# Altium PCB EBAZ4205.PcbDoc (part 3 of 6)
Units mil, origin at the board's own origin, x right, y up, seen from the top; angles counter-clockwise.
Board outline 3958.82 x 3829.88 mil, 4 copper layers (Top Layer, MidLayer1, MidLayer2, Bottom Layer); 565 components, 392 nets, 1912 pads, 1242 vias.
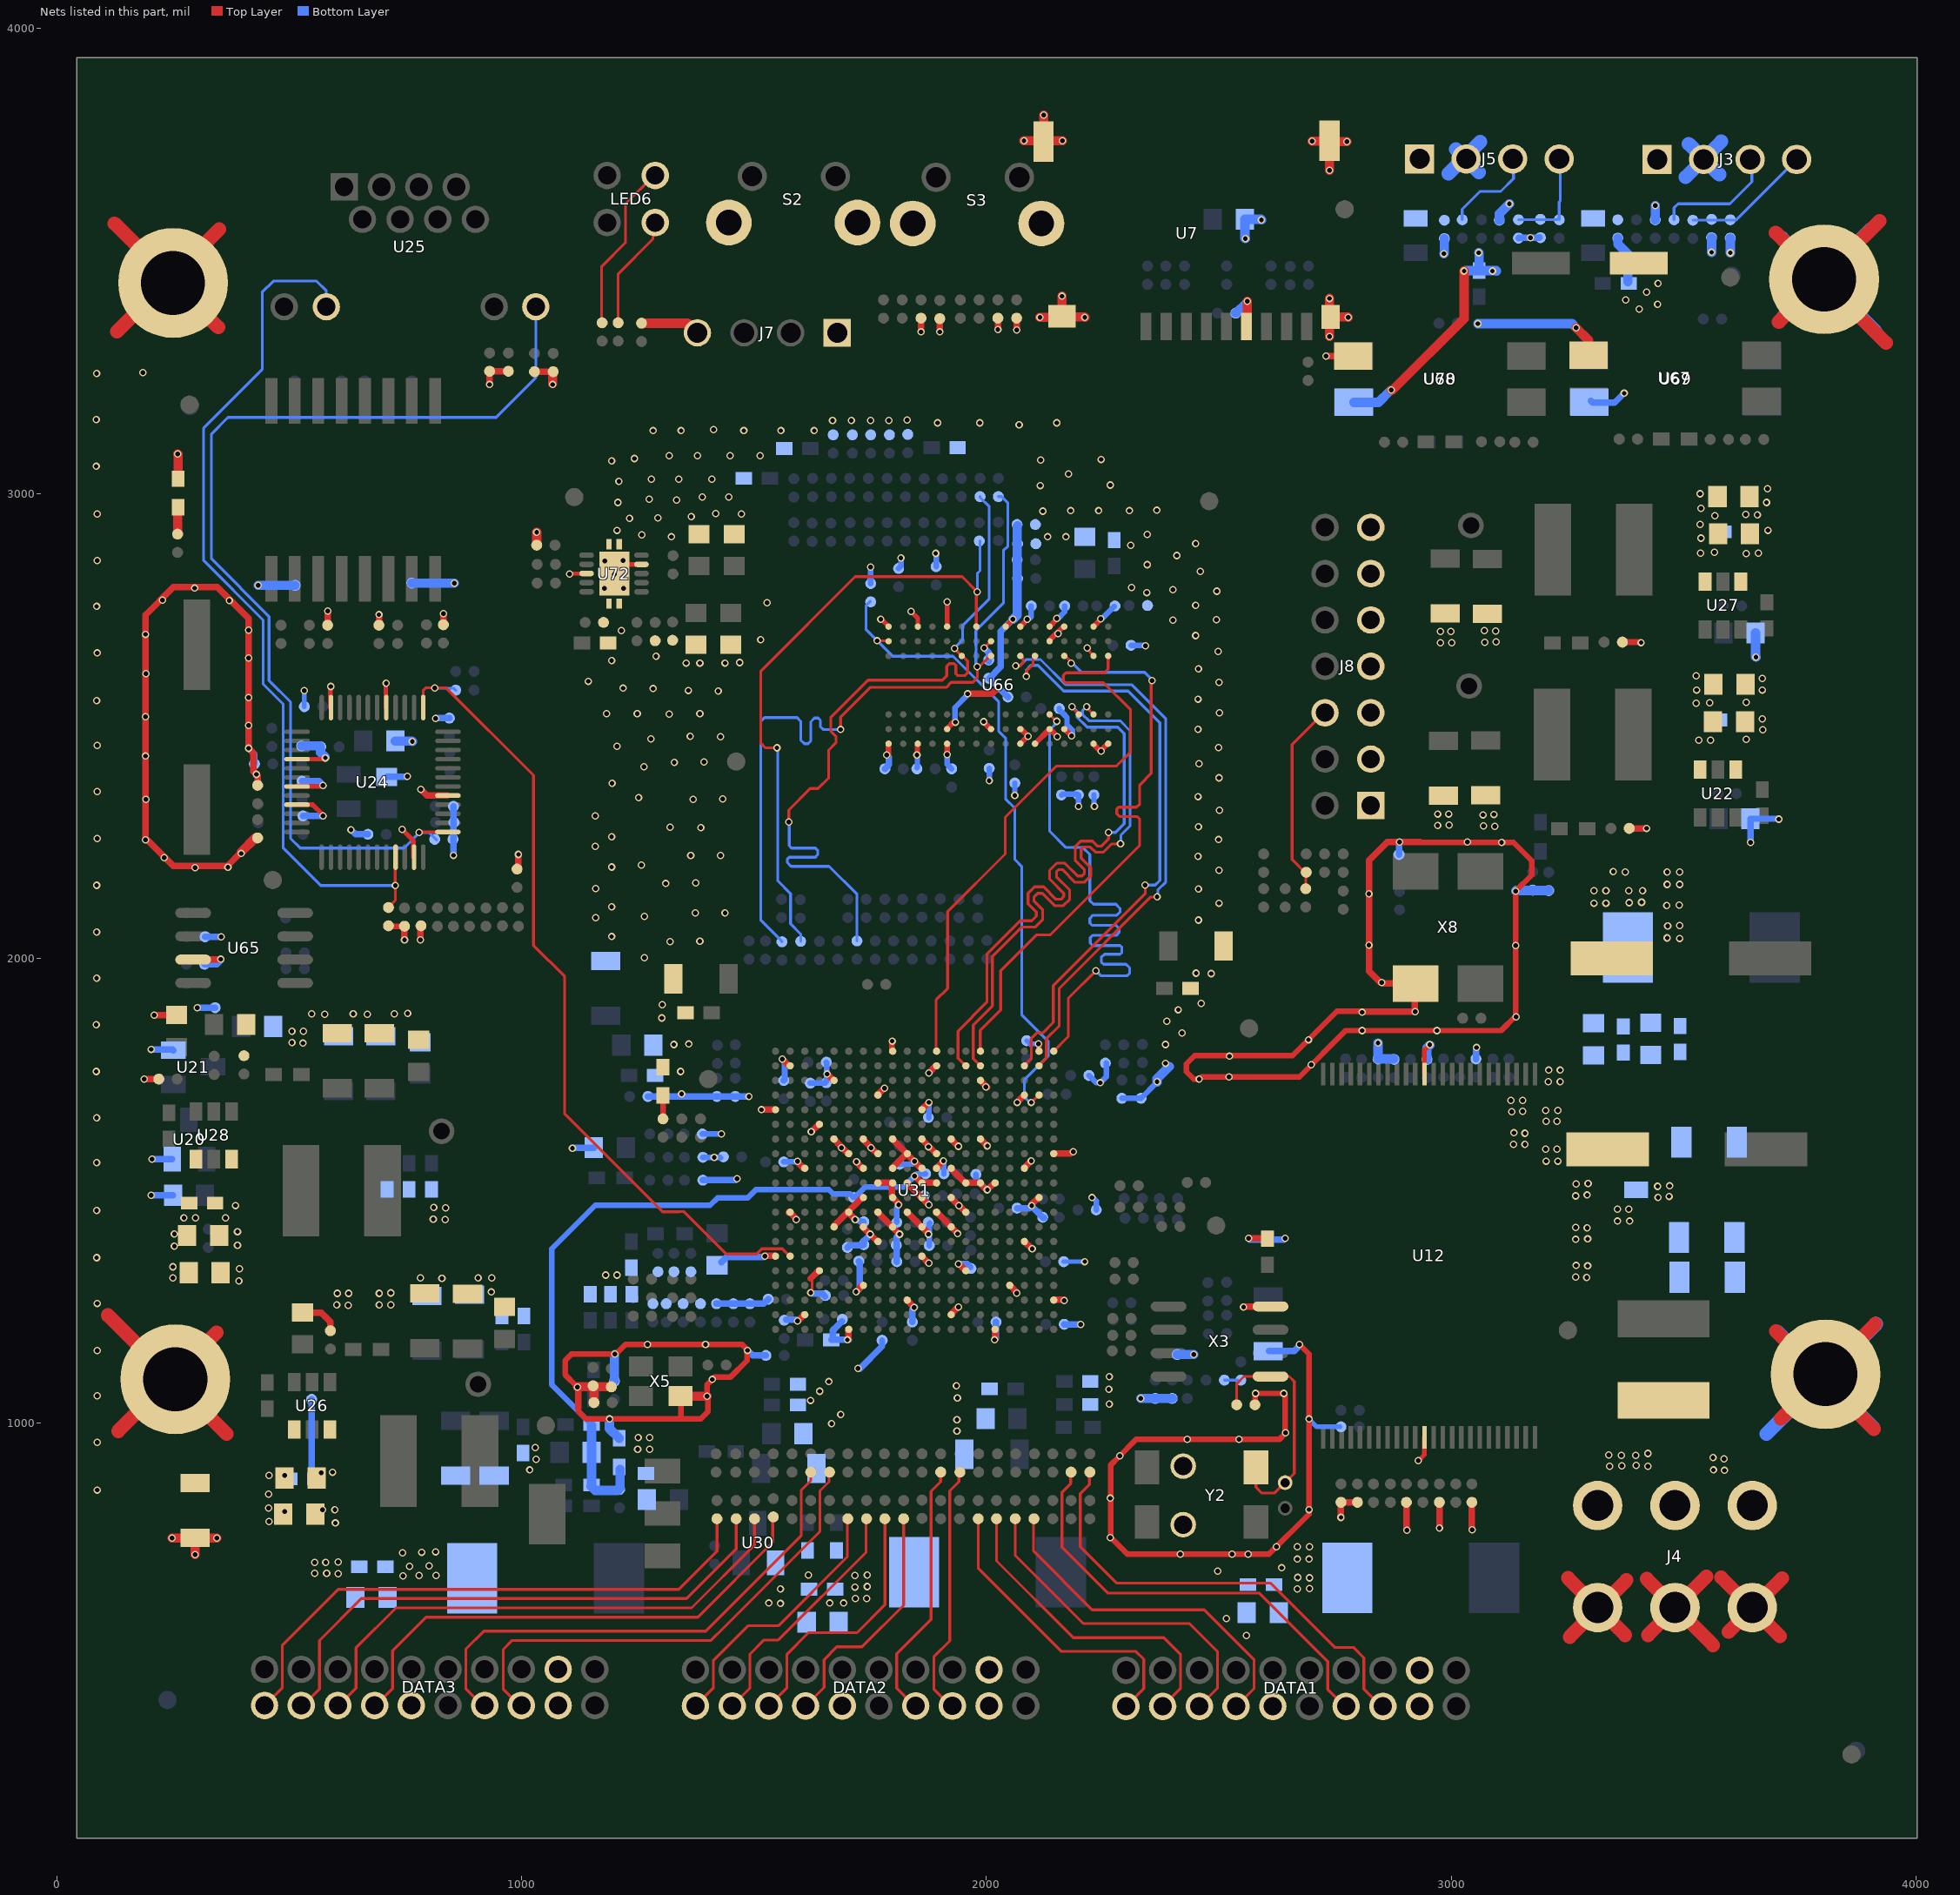
[diagram p5: the nets of this part, all layers, seen from the top]

## Via types
v1: diameter 16, hole 10, Top Layer to Bottom Layer, 1172 vias
v2: diameter 16, hole 10, Top Layer to Bottom Layer, tented both sides, 70 vias

## Nets (pads, with @x,y where several pads share a name; then routed paths per layer and width w, separated by ;. In a path a pad name is that pad's centre, name@x,y a point inside that pad or via, vN(x,y) a via of type N, cw(c..) or ccw(c..) an arc to the next point about the centre after c; other vN are vias at no path point) (continued)
DDR-DQ15_0: U31.J1 U66.A3 | length 1294.5
  Top Layer w6: U31.J1@1891.47,1800.2 1891.47,1910.17 1916.34,1935.04 1916.34,2100.39 2040.35,2224.41 2040.35,2303.15 2150.59,2413.39 2279.53,2413.39 2310.04,2443.9 2310.04,2534.45 2251.97,2592.52 2170.28,2592.52 2165.35,2597.44 2165.35,2608.27 2171.26,2614.17 2253.94,2614.17 2261.81,2622.05 U66.A3@2261.81,2649.61
DDR-LDM_0: U31.A1 U66.E7 | length 1291.7
  Top Layer w6: U66.E7@2135.83,2524.61 2150.59,2509.84 v1(2151.58,2509.84) ; U31.A1@2144.69,1800.2 2176.18,1831.69 2176.18,1914.37 v1(2235.24,1973.42)
  Bottom Layer w6: v1@2150.59,2505.91 2135.83,2491.14 2135.83,2273.62 2171.26,2238.19 2207.68,2238.19 2222.44,2223.42 2222.44,2124.02 2230.32,2116.14 2278.54,2116.14 2287.4,2107.28 2287.4,2099.41 2280.51,2092.52 2229.33,2092.52 2222.44,2085.63 2222.44,2075.79 2227.36,2070.87 2278.54,2070.87 2285.43,2063.98 2285.43,2055.12 2279.53,2049.21 2228.35,2049.21 2223.43,2044.29 2223.43,2032.48 2228.35,2027.56 2287.4,2027.56 2291.34,2023.62 2291.34,2012.79 2287.4,2008.86 2253.94,2008.86 2247.05,2001.97 2247.05,1992.13 2251.97,1987.2 2300.2,1987.2 2308.07,1979.33 2308.07,1967.52 2303.15,1962.6 2246.06,1962.6 v1(2235.24,1973.42)
DDR-LDQS#_0: U31.B2 U66.G3 | length 1283.6
  Top Layer w6: v1(2062.99,2628.94) 2071.85,2628.94 2078.74,2635.83 2078.74,2646.65 U66.G3@2072.84,2652.56 ; U31.B2@2113.03,1768.75 2128.94,1784.66 2128.94,1826.77 2156.5,1854.33 2156.5,1935.04 2353.35,2131.89 v1(2367.13,2131.89)
  Bottom Layer w6: v1(2062.99,2628.94) 2071.85,2628.94 2085.63,2642.72 2116.14,2642.72 2170.28,2588.58 2312.01,2588.58 2385.83,2514.76 2385.83,2164.37 2369.09,2147.64 v1@2369.09,2133.86
DDR-LDQS_0: U31.C2 U66.F3 | length 1286.6
  Top Layer w6: U31.C2@2081.38,1768.75 2096.46,1783.83 2096.46,1809.07 2096.2,1809.32 2096.2,1827.5 2108.27,1839.57 2121.06,1839.57 2143.7,1862.2 2143.7,1940.94 2341.54,2138.78 v1(2341.54,2157.48) ; v1(2085.63,2606.3) 2085.63,2618.11 2100.39,2632.87 2100.39,2648.62 U66.F3@2104.33,2652.56
  Bottom Layer w6: v1@2085.63,2609.25 2085.63,2620.08 2095.47,2629.92 2111.22,2629.92 2166.34,2574.8 2305.12,2574.8 2373.03,2506.89 2373.03,2167.32 2363.19,2157.48 v1(2341.54,2157.48)
DDR-ODT_0: R2513.2 R2642.1 U66.K1 | length 1381.3
  Top Layer w6: v1(1549.21,2452.76) 1524.61,2452.76 1514.76,2462.6 1514.76,2618.11 1717.52,2820.87 1947.83,2820.87 v1(1980.32,2788.39) 1978.35,2786.42 U66.K1@1978.35,2713.58
  Bottom Layer w6: v1@1550.2,2454.72 1551.18,2453.74 1551.18,2166.34 1578.74,2138.78 1578.74,2073.82 1600.39,2052.16 R2513.2@1600.39,2036.42 ; v1@1982.28,2791.34 1980.32,2793.31 1980.32,2827.76 1986.22,2833.66 R2642.1@1986.22,2897.64
DDR-RAS_0: R2532.2 R2639.1 U66.J3 | length 1607.3
  Top Layer w6: v1(1686.02,2492.13) 1686.02,2518.7 1750,2582.68 1913.39,2582.68 1924.21,2593.5 1970.47,2593.5 1980.32,2603.35 v1(1980.32,2626.97) 1984.25,2626.97 U66.J3@2009.84,2652.56
  Bottom Layer w6: R2532.2@1560.04,2035.43 1560.04,2036.42 1514.76,2081.69 1514.76,2509.84 1522.64,2517.72 1592.52,2517.72 1600.39,2509.84 1600.39,2469.49 1608.27,2461.61 1616.14,2461.61 1622.05,2467.52 1622.05,2508.86 1629.92,2516.73 1637.8,2516.73 1642.72,2511.81 1642.72,2498.03 1648.62,2492.13 v1@1682.09,2492.13 ; v1@1980.32,2624.02 1977.36,2626.97 1977.36,2659.46 1977.61,2659.71 1977.61,2672.97 1977.36,2673.22 1977.36,2704.72 2036.42,2763.78 2036.42,2876.97 2046.26,2886.81 2046.26,2979.33 2032.48,2993.11 R2639.1@2025.59,2993.11
DDR-RESET_0: R2645.1 U31.B4 U66.T2 | length 1397.2
  Top Layer w6: v1(1764.76,2683.07) 1788.39,2683.07 U66.T2@1789.37,2684.05 ; v1(2096.46,1689.96) 2097.13,1689.96 U31.B4@2113.03,1705.86
  Bottom Layer w6: R2645.1@1750,2767.72 1741.14,2758.86 1741.14,2706.69 1798.23,2649.61 1928.15,2649.61 2026.58,2551.18 2026.58,2488.19 2041.09,2473.68 2041.09,2342.77 2061.02,2322.83 2061.02,2212.6 2075.79,2197.83 2075.79,1878.94 2132.87,1821.85 2132.87,1789.37 2081.44,1737.94 2081.44,1702.02 2093.5,1689.96 v1(2096.46,1689.96)
DDR-UDM_0: U31.F1 U66.D3 | length 1265.2
  Top Layer w6: U31.F1@1986.43,1800.2 1986.43,1844.7 2030.51,1888.78 2030.51,1973.42 2107.28,2050.2 2136.81,2050.2 2329.72,2243.11 2329.72,2299.21 2323.82,2305.12 2286.42,2305.12 2280.51,2311.02 2280.51,2320.87 2284.45,2324.8 2322.83,2324.8 2329.72,2331.69 2329.72,2373.03 2354.33,2397.64 v1@2354.33,2596.46 ; U66.D3@2167.32,2652.56 2182.09,2637.8 v1(2182.09,2634.84)
  Bottom Layer w6: v1(2182.09,2634.84) 2185.04,2634.84 2204.72,2615.16 2340.55,2615.16 v1@2357.28,2598.42
  other v1: 2356.3,2597.44
DDR-UDQS#_0: U31.F2 U66.B7 | length 1284.8
  Top Layer w6: U31.F2@1986.43,1768.75 1971.46,1783.72 1971.46,1856.3 2012.8,1897.64 2012.8,2003.94 2075.79,2066.93 2104.33,2066.93 2121.06,2083.66 2121.06,2104.33 2102.36,2123.03 2102.36,2131.89 2110.24,2139.76 2120.08,2139.76 2146.65,2113.19 2165.35,2113.19 2179.13,2126.97 2179.13,2146.65 2150.59,2175.2 2150.59,2186.02 2155.51,2190.94 2163.39,2190.94 2190.95,2163.39 2210.63,2163.39 2224.41,2177.16 2224.41,2194.88 2203.74,2215.55 2203.74,2235.24 2207.68,2239.17 2223.43,2239.17 2234.25,2228.35 2251.97,2228.35 2269.69,2246.06 v1@2286.42,2246.06 ; v1(2215.55,2541.34) 2215.55,2539.37 U66.B7@2230.32,2524.61
  Bottom Layer w6: v1(2215.55,2541.34) 2206.69,2532.48 2206.69,2524.61 2220.47,2510.83 2287.4,2510.83 2309.06,2489.17 2309.06,2284.45 2289.37,2264.76 v1@2289.37,2251.97
  other v1: 2288.39,2246.06
DDR-UDQS_0: U31.G2 U66.C7 | length 1294.4
  Top Layer w6: U31.G2@1954.78,1768.75 1938.72,1784.8 1938.72,1843.25 2000.98,1905.51 2000.98,2008.86 2072.83,2080.71 2097.44,2080.71 2107.28,2090.55 2107.28,2099.41 2089.57,2117.13 2089.57,2139.76 2103.35,2153.54 2123.03,2153.54 2149.61,2126.97 2160.43,2126.97 2166.34,2132.87 2166.34,2139.76 2135.83,2170.28 2135.83,2188.98 2151.57,2204.72 2168.31,2204.72 2195.87,2177.17 2205.71,2177.17 2210.63,2182.09 2210.63,2190.94 2190.95,2210.63 2190.95,2240.16 2202.76,2251.97 2228.35,2251.97 2239.17,2241.14 2247.05,2241.14 2262.8,2256.89 v1(2262.8,2270.67) ; v1(2184.06,2541.34) 2184.06,2539.37 U66.C7@2198.82,2524.61
  Bottom Layer w6: v1@2187.01,2539.37 2194.88,2531.5 2194.88,2518.7 2216.54,2497.05 2282.48,2497.05 2296.26,2483.27 2296.26,2289.37 2277.56,2270.67 v1(2262.8,2270.67)
DDR-WE_0: R2534.2 R2641.1 U66.L3 | length 1565.7
  Top Layer w6: v1(1574.8,2293.31) 1574.8,2318.9 1621.06,2365.16 1637.8,2365.16 1660.43,2387.79 1660.43,2447.83 1676.18,2463.58 1676.18,2477.36 1665.35,2488.19 1665.35,2518.7 1745.08,2598.42 1905.51,2598.42 1914.37,2607.28 1914.37,2627.95 1920.28,2633.86 1930.12,2633.86 1934.06,2629.92 1934.06,2612.2 1937.99,2608.27 1953.74,2608.27 1959.65,2614.17 1959.65,2639.76 1946.85,2652.56 1944.88,2652.56 v1(1931.1,2666.34)
  Bottom Layer w6: v1@1575.79,2290.35 1575.79,2242.13 1580.71,2237.2 1631.89,2237.2 1636.81,2232.28 1636.81,2222.44 1631.89,2217.52 1575.79,2217.52 1571.85,2213.58 1571.85,2205.71 1579.72,2197.83 1661.42,2197.83 1721.46,2137.79 R2534.2@1721.46,2037.4 ; v1@1932.09,2668.31 1948.82,2685.04 1948.82,2716.54 2005.91,2773.62 2005.91,2971.46 1986.22,2991.14 R2641.1@1986.22,2993.11
GND: C68.2 C69.2 C71.1 C73.1 C82.1 C93.1 C94.1 C147.2 C289.1 C290.1 C291.2 C292.2 C293.1 C294.1 C306.2 C307.2 C308.2 C309.2 C310.2 C319.2 C320.2 C321.2 C322.2 C323.2 C325.1 C362.1 C363.1 C364.1 C366.2 C367.2 C368.2 C369.2 C370.2 C371.2 C372.2 C373.2 C374.2 C375.2 C376.2 C377.1 C379.1 C379A.1 C380.2 C382.2 C383.2 C384.1 C385.2 C386.2 C387.2 C389.1 C390.1 C391.2 C392.1 C394.1 C395.1 C396.2 C397.2 C398.1 C399.2 C401.1 C402.2 C403.1 C538.2 C625.2 C626.2 C628.2 C659.1 C660.1 C663.2 C665.2 C666.1 C667.2 C668.1 C669.1 C670.2 C671.1 C672.1 C673.2 C674.1 C845.1 C846.1 C1887.2 C1987.1 C2250.1 C2269.2 C2280.2 C2285.1 C2287.1 C2288.1 C2291.1 C2292.2 C2293.2 C2294.2 C2295.1 C2296.2 C2297.1 C2298.2 C2299.1 C2302.2 C2304.1 C2305.1 C2306.1 C2307.2 C2308.1 C2309.1 C2310.2 C2312.1 C2313.2 C2314.2 C2315.2 C2316.2 C2317.1 C2318.2 C2319.1 C2320.2 C2321.1 C2322.1 C2323.1 C2324.2 C2325.2 C2326.2 C2327.2 C2328.1 C2329.1 C2330.2 C2331.2 C2332.1 C2333.1 C2334.1 C2335.2 C2336.1 C2337.2 C2338.2 C2339.2 C2340.1 C2341.1 C2342.2 C2343.1 C2344.2 C2345.2 C2346.2 C2347.1 C2349.1 C2349A.2 C2350.1 C2351.2 C2352.2 C2353.1 C2354.2 C2355.2 C2356.1 C2357.1 C2358.2 C2359.1 C2360.1 C2361.1 C2362.2 C2363.1 C2365.1 C2366.2 C2367.2 C2368.2 C2369.2 C2370.2 C2371.2 C2372.2 C2373.1 C2374.2 C2375.2 C2376.2 C2377.1 C2378.2 C2379.2 C2381.1 C2382.2 C2384.1 C2394.2 C2395.2 C2396.1 C2397.1 C2398.2 C2399.2 C2400.1 C2401.2 C2402.1 C2403.2 C2404.2 C2405.2 C2406.2 C2407.2 C2408.2 C2409.2 C2410.1 DATA1.3 DATA1.4 DATA1.12 DATA2.3 DATA2.4 DATA2.12 DATA3.3 DATA3.4 DATA3.12 FB14.1 J7.1 J8.1 J8.3 J8.5 J8.7 J8.9 J8.11 J8.13 L36.2 LED1.2 LED4.2 R120A.1 R244.1 R246.1 R248.1 R277.1 R1336.2 R1381.1 R1383.1 R1386.1 R1389.1 R1390.1 R1392.1 R1393.2 R1396.2 R1412.1 R1415.2 R1418.2 R1421.2 R1483.2 R1497.1 R1498.1 R1499.1 R1949.1 R2161.1 R2389.2 R2433.2 R2455.2 R2456.2 R2459.1 R2512.1 R2538.2 R2541.2 R2558.2 R2560.2 R2584.2 R2585.1 R2586.2 R2587.2 R2588.1 R2590.2 R2598.2 R2616.2 R2645.2 R2648.1 S2.1 S2.2 S3.1 S3.2 U7.6 U7.10 U7.11 U7.12 U7.13 U12.13 U12.36 U20.2 U21.2 U22.1 U24.11 U24.17 U24.29 U24.35 U24.40 U24.43 U24.45 U26.1 U27.1 U28.1 U30.1 U31.A8 U31.A18 U31.B1 U31.B11 U31.C4 U31.C9 U31.C14 U31.D17 U31.E10 U31.E20 U31.F3 U31.F7 U31.F10 U31.G10 U31.G12 U31.G16 U31.H7 U31.H9 U31.H11 U31.H13 U31.H19 U31.J2 U31.J8 U31.J12 U31.K5 U31.K7 U31.K9 U31.K11 U31.K13 U31.K15 U31.L8 U31.L10 U31.L12 U31.L18 U31.M1 U31.M7 U31.M9 U31.M10 U31.M11 U31.M13 U31.N4 U31.N8 U31.N10 U31.N12 U31.N14 U31.P7 U31.P9 U31.P11 U31.P13 U31.P17 U31.R8 U31.R12 U31.R20 U31.T3 U31.T7 U31.T13 U31.U6 U31.U16 U31.V9 U31.V19 U31.W2 U31.W12 U31.Y5 U31.Y15 U65.3 U66.A9 U66.B1 U66.B3 U66.B9 U66.D1 U66.D8 U66.E1 U66.E2 U66.E8 U66.F9 U66.G1 U66.G8 U66.G9 U66.J2 U66.J8 U66.M1 U66.M9 U66.P1 U66.P9 U66.T1 U66.T9 U67.3 U68.3 U72.4 U72.8 U72.11 U72.12 U72.13 U72.14 U72.15 X3.4 X5.4 X8.2 Y2.5 Y2.6 | length 16151
  Top Layer w6: v1@1622.05,1283.46 v1@1625,1280.51 ; v1@1625,1284 1625,1311.56 ; v1(1995.08,2667.32) 2009.84,2682.09 U66.J2@2009.84,2684.05 ; v1@2215.55,2666.34 2229.33,2652.56 U66.B3@2230.32,2652.56
  Top Layer w8: v1(1103.35,2826.77) 1104.33,2827.76 U72.8@1138.78,2827.76
  Top Layer w10: U24.45@515.75,2330.44 550.47,2330.44 572.83,2308.07 v1(572.83,2306.1) ; U24.43@515.75,2369.63 570.42,2369.63 v1(572.83,2372.05) ; U24.40@515.75,2428.42 575.07,2428.42 v1(577.76,2431.1) ; U24.35@588.76,2539.37 588.76,2583.84 v1(589.57,2584.65) ; U24.29@707.95,2539.37 707.95,2590.82 v1(708.66,2591.53) ; v1(743.11,2277.56) 743.11,2276.57 767.54,2252.15 U24.11@767.54,2217.52 ; U72.15@1218.5,2847.44 U72.4@1256.89,2847.44 ; U31.R20@1701.57,1202.76 U31.R20@1702.76,1201.57 ; v1(1772.64,2729.33) 1773.62,2729.33 U66.T1@1789.37,2713.58 ; v1(1837.6,2746.06) 1852.36,2731.3 U66.P1@1852.36,2713.58 ; v1@1914.37,2767.72 v1(1915.35,2766.73) U66.M1@1915.36,2713.58 ; v1(2929.13,919.29) 2942.36,932.51 U12.36@2942.36,969.49 ; U12.13@2942.36,1750.98 2942.36,1802.59 v1(2953.74,1813.98)
  Top Layer w12: R1390.1@713.58,2069.88 714.57,2068.9 R1392.1@748.03,2068.9 ; v1@1119.09,1078.74 1093.5,1104.33 1093.5,1134.84 1107.28,1148.62 1202.76,1148.62 1223.43,1169.29 1474.41,1169.29 1485.24,1158.46 1485.24,1134.84 1449.8,1099.41 1415.35,1099.41 1398.62,1082.68 v1(1398.62,1058.07) ; 1122.05,1030.51 1122.05,1025.59 1138.78,1008.86 1343.57,1008.86 1384.84,1008.86 1400.59,1024.61 1400.59,1055.12 v1@1398.62,1057.09 ; X5.4@1341.54,1053.15 X5.4@1343.57,1051.12 ; 1342.52,1008.86 X5.4@1342.52,1051.12 ; v1(1785.52,2437.13) 1788.27,2437.13 1788.39,2437.01 1789,2437.62 1789,2449.14 1789.37,2449.51 U66.T9@1789.37,2461.61 ; U31.M1@1796.52,1800.2 1796.52,1821.13 v1@1797.24,1821.85 ; v1(1850.48,2437.13) 1851.26,2437.13 1851.38,2437.01 1851.38,2460.63 U66.P9@1852.36,2461.61 ; v1(1915.35,2437.99) U66.M9@1915.36,2461.61 ; v1@1995.08,2509.84 1995.08,2506.89 U66.J8@2009.84,2492.13 ; U66.G8@2071.85,2493.11 2074.8,2493.11 2089.57,2478.35 U66.G9@2072.84,2461.61 ; U66.G1@2072.84,2713.58 2087.6,2728.35 v1(2087.6,2729.33) ; U66.F9@2104.33,2461.61 2134.84,2492.13 2137.8,2492.13 v1@2151.58,2478.35 ; U31.B1@2113.03,1800.2 v1@2113.03,1815.12 ; U66.E2@2135.83,2684.05 2165.35,2713.58 U66.D1@2167.32,2713.58 ; U66.E1@2135.83,2713.58 2151.58,2729.33 v1(2151.57,2731.3) ; U66.D8@2167.32,2492.13 2169.29,2492.13 v1(2183.07,2478.35) ; U66.B9@2230.32,2461.61 2230.32,2460.63 2245.08,2445.87 2260.83,2461.61 U66.A9@2261.81,2461.61 ; U66.B1@2230.32,2713.58 2246.06,2729.33 v1(2246.06,2730.31) ; C69.2@2577.76,1039.37 2577.76,1062.99 v1(2578.74,1063.98) v1(2639.76,1063.98) 2642.72,1061.02 2642.72,977.36 2630.91,965.55 2322.83,965.55 2283.46,926.18 2267.72,910.43 2267.72,753.94 2303.15,718.5 2608.27,718.5 2693.9,804.13 2693.9,1148.62 v1(2673.23,1169.29) ; v2@2805.12,1885.83 2753.94,1885.83 2658.46,1790.35 2447.83,1790.35 2430.12,1772.64 2430.12,1755.91 2445.87,1740.16 v2(2457.68,1740.16) 2462.6,1745.08 2673.23,1745.08 2772.64,1844.49 3107.28,1844.49 3138.78,1875.98 v2(3138.78,2144.68) 3173.23,2179.13 3173.23,2209.65 3133.86,2249.02 2934.06,2249.02 2933.07,2250
  Top Layer w14: v1(209.65,1877.95) C628.2@257.87,1877.95 ; U65.3@293.31,1997.05 351.38,1997.05 v1(352.36,1998.03) ; v2@396.65,2228.35 367.13,2198.82 250.98,2198.82 190.94,2258.86 190.94,2738.19 250.98,2798.23 345.47,2798.23 412.4,2731.3 v1(412.4,2451.77) 423.23,2440.94 423.23,2401.57 v1(429.13,2395.67) 432.09,2392.72 C380.2@432.09,2372.05 ; C386.2@527.56,1237.2 568.9,1237.2 588.58,1217.52 R1415.2@588.58,1198.82 ; C366.2@582.68,2716.54 v1(582.68,2747.05) ; C372.2@692.91,2716.54 v1(692.91,2739.17) ; v1(748.03,2039.37) R1392.1@748.03,2068.9 ; v1(782.48,2039.37) R1386.1@782.48,2069.88 ; v1(783.46,2363.19) 796.62,2350.04 U24.17@840.55,2350.04 ; R1393.2@831.69,2717.52 v1(831.69,2741.14) ; v2@930.12,3233.27 v2(931.1,3234.25) R1389.1@931.1,3262.79 C659.1@970.47,3262.79 ; R2560.2@993.11,2191.93 v1(993.11,2223.42) ; C660.1@1025.59,3261.81 R1412.1@1067.91,3261.81 ; v1(1120.08,1077.76) 1122.05,1075.79 1122.05,1030.51 ; v1(1515.75,1674.21) 1515.96,1674.42 U31.Y5@1543.31,1674.42 ; v1@1521.65,1359.25 1522.38,1359.98 U31.Y15@1543.31,1359.98 ; v1(1561.02,1783.46) 1561.02,1782.69 U31.W2@1574.96,1768.75 ; U31.W12@1575,1453 U31.W12@1576.24,1453 ; U31.W12@1576.2,1454.31 v1@1591.54,1438.98 ; v1@1593.5,1218.5 1606.61,1231.61 U31.V19@1606.61,1234.2 ; v1(1593.5,1562.99) 1593.5,1561.75 U31.V9@1606.61,1548.64 ; 1622.05,1311.02 1638.26,1327.24 U31.U16@1638.26,1328.53 ; v1(1623.03,1626.97) 1638.26,1642.2 U31.U6@1638.26,1642.98 ; v1(1657.48,1750.98) 1669.91,1738.55 U31.T3@1669.91,1737.31 ; U31.T7@1669.91,1611.53 1670.95,1611.53 1687.99,1594.49 1701.57,1580.91 U31.R8@1701.57,1580.09 ; U31.T13@1672.24,1423.23 1672.24,1424.78 U31.P11@1733.22,1485.75 ; U31.R12@1701.57,1454.31 1716.9,1438.98 v1@1717.52,1438.98 ; v1@1702.76,1180.12 U31.R20@1702.76,1201.57 ; v1@1718.5,1562.99 1718.87,1562.99 U31.P9@1733.22,1548.64 ; v1(1719.49,1282.48) 1733.22,1296.21 U31.P17@1733.22,1297.09 ; U31.P13@1733.22,1422.87 1763.37,1392.72 U31.N14@1764.76,1392.72 ; U31.P7@1733.22,1611.53 1750.98,1593.76 1750.98,1593.5 1764.4,1580.09 U31.N8@1764.87,1580.09 ; U31.N12@1764.87,1454.31 1812.68,1406.5 v1(1812.99,1406.5) ; U31.N10@1764.87,1517.2 1796.78,1517.2 U31.M10@1797.24,1516.73 ; U31.N4@1764.87,1705.86 1779.48,1720.47 v1@1779.53,1720.47 ; U31.M10@1796.52,1517.2 1796.52,1486.94 v1@1812.99,1470.47 ; U31.M9@1796.52,1548.64 1796.73,1548.64 U31.L8@1828.17,1580.09 ; U31.M7@1796.52,1611.53 1859.41,1548.64 U31.K9@1859.82,1548.64 ; U31.L18@1828.17,1265.65 1828.17,1265.33 v1(1844.49,1249.02) ; U31.L12@1828.17,1454.31 1875,1407.48 v1(1875,1406.5) ; U31.L10@1828.17,1517.2 1875.88,1469.49 v1(1875.98,1469.49) ; v1(1859.25,3347.44) R120A.1@1859.25,3376.97 ; U31.K15@1859.82,1359.98 1875.31,1344.49 v1(1875.98,1344.49) ; U31.K7@1859.82,1611.53 1890.65,1580.71 U31.J8@1890.75,1580.71 ; U31.K5@1859.82,1674.42 1860.44,1674.42 v1(1875.98,1689.96) ; v1(1875.98,1752.95) 1875.98,1753.26 U31.J2@1891.47,1768.75 ; U31.J12@1891.47,1454.31 1892.15,1454.31 v1@1937.5,1408.96 ; v1(1899.61,3347.44) C73.1@1899.61,3375.98 ; U31.H19@1923.13,1234.2 1923.18,1234.2 v1@1938.98,1250 ; U31.H11@1923.13,1485.75 1937.99,1470.89 1937.99,1469.49 1939.6,1469.49 U31.G12@1954.78,1454.31 ; U31.H9@1923.13,1548.64 1954.05,1517.72 1984.25,1517.72 2000,1501.97 v1(2001.97,1501.97) U31.E10@2016.73,1516.73 ; U31.H7@1923.13,1611.53 1939.18,1595.47 v1(1939.96,1595.47) ; v1(1939.96,1342.52) 1940.79,1342.52 U31.G16@1954.78,1328.53 ; U31.F7@1986.43,1611.53 2001.5,1596.46 v1(2001.97,1596.46) ; U31.F3@1986.43,1737.31 2001.3,1722.44 v1@2001.97,1722.44 ; v1(2017.72,1179.13) 2018.08,1179.5 U31.E20@2018.08,1202.76 ; v1(2024.61,3352.36) C2410.1@2024.61,3376.97 ; U31.D17@2049.73,1297.09 2065.95,1280.88 v1@2065.95,1280.51 ; v1(2064.96,3351.38) R2648.1@2064.96,3376.97 ; v1(2065.94,1689.96) 2065.95,1690.43 U31.C4@2081.38,1705.86 ; U31.C14@2081.38,1391.42 2097.8,1375 v1(2098.42,1375) ; U31.C9@2081.38,1548.64 2081.38,1548.9 v1(2096.46,1563.98) ; v1@2097.44,1470.47 2112.72,1485.75 U31.B11@2113.03,1485.75 ; U31.A18@2144.69,1265.65 2167.22,1265.65 v1@2167.32,1265.75 ; U31.A8@2144.69,1580.09 2181.47,1580.09 v1@2186.02,1584.65 ; v1(2553.15,1250) 2554.13,1250.98 X3.4@2611.22,1250.98 ; v1(2563.98,1397.64) 2603.35,1397.64 C670.2@2604.33,1396.65 ; v1(2730.31,3295.28) U68.3@2789.37,3295.28 ; v1(2762.8,797.24) R248.1@2762.8,829.72 R2588.1@2798.23,829.72 ; v2@2807.09,1884.84 v1(2922.24,1884.84) 2921.26,1885.83 2921.26,1943.9 X8.2@2923.23,1945.87 2852.36,1945.87 v1(2850.39,1947.83) 2847.44,1947.83 2822.83,1972.44 2822.83,2210.63 2862.2,2250 2933.07,2250 ; R2585.1@2903.54,829.72 2903.54,770.67 v1(2904.53,769.68) ; v1(2974.41,774.61) R246.1@2974.41,829.72 ; R244.1@3044.29,829.72 3044.29,771.65 v1(3045.28,770.67) ; R1418.2@3368.11,2680.12 3407.48,2680.12 v1(3408.46,2679.13) ; R1336.2@3382.87,2279.53 v1(3420.28,2279.53)